# Altium PCB PIXHACK.PcbDoc (part 1 of 3) (continued)
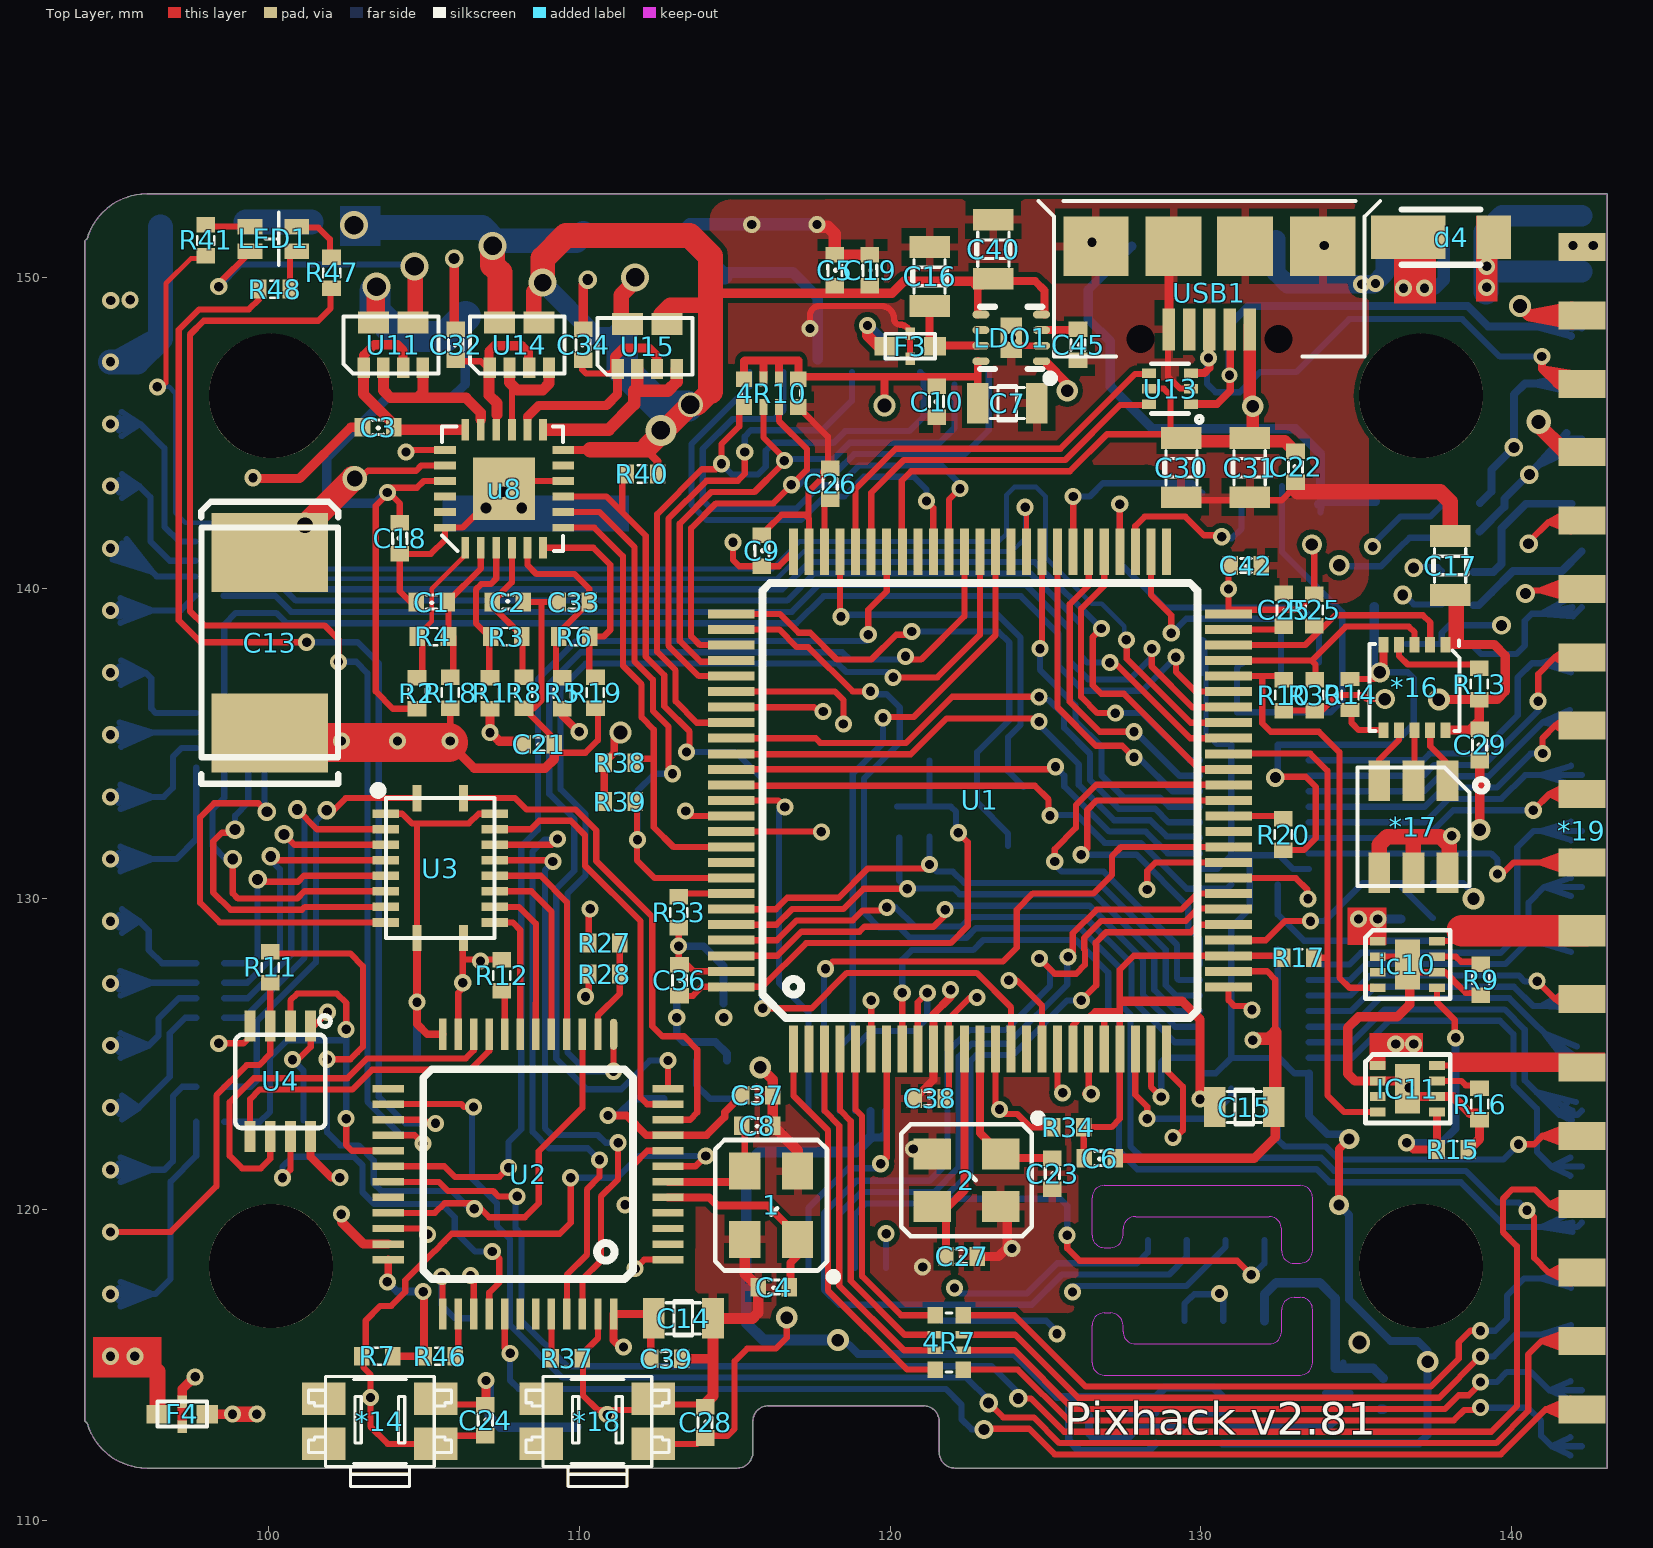
[diagram p0: Top Layer view]
## Components (designator, comment, footprint, x,y, rotation, side; value= is the part's Value field where it differs from the comment)
1 "TSX-3225" TSX-3225 116.261,120.171 r270 top
2 "TSX-3225" TSX-3225 122.428,121.031 r0 top
4R7 "220R" 0402_4R 121.925,115.7 r90 top
4R10 "100k" 0402_4R 116.2,146.3 r180 top
4R12 "TF-CARD" 47352-1001 120.975,142.125 r180 bottom
*8 "MS621FE" MS621FE 113.9,130.45 r90 bottom
*9 "MS5611-01BA" MS5611 130.025,117.75 r0 bottom
*14 "EVQ-P7J01P" EVQ-P7J01P 103.584,113.147 r0 top
*15 "pix_pwm_io" pix_pwm_out 98.56,126.514 r0 top locked
*16 "TCA62724FMG" SON10 136.906,136.906 r270 top
*17 "LRTB" LRTB 136.934,132.32 r180 top
*18 "EVQ-P7J01P" EVQ-P7J01P 110.584,113.147 r0 top
*19 "INPUT_IO" PIX_OP 141.944,130.939 r0 top locked
*20 "220R" 0402_4R 98.125,140.65 r270 bottom
*21 "220R" 0402_4R 98.1,135.075 r90 bottom
*22 "220r" 0402_4R 98.1,127.025 r90 bottom
C1 "220PF" 0402CAP#1 105.25,139.55 r0 top
C2 "220PF" 0402CAP#1 107.7,139.55 r180 top
C3 "100nf" 0402CAP#1 103.525,145.175 r0 top
C4 "8PF" 0402CAP#1 116.261,117.504 r0 top
C5 "10nf" 0402CAP#1 118.225,150.225 r90 top
C6 "100nf" 0402CAP#1 126.75,121.65 r0 top
C7 "4.7UF" 0805CAP 123.775,145.925 r180 top
C8 "8PF" 0402CAP#1 115.725,122.7 r0 top
C9 "100nf" 0402CAP#1 115.875,141.2 r90 top
C10 "100nf" 0402CAP#1 121.5,146 r270 top
C11 "47UF 16V" 7343CAP#1 106.25,145.575 r270 bottom
C12 "47UF 16V" 7343CAP#2 111.3,145.575 r270 bottom
C13 "47UF 16V" 7343CAP#3 100.125,138.625 r270 top
C14 "4.7UF" 0805CAP 113.35,116.475 r180 top
C15 "4.7UF" 0805CAP 131.4,123.275 r180 top
C16 "4.7UF" 0805CAP 121.3,150.025 r270 top
C17 "4.7UF" 0805CAP 138.05,140.725 r270 top
C18 "100nf" 0402CAP#1 104.225,141.6 r270 top
C19 "100nf" 0402CAP#1 119.35,150.225 r90 top
C21 "100nf" 0402CAP#1 108.7,134.975 r0 top
C22 "100nf" 0402CAP#1 133.05,143.9 r270 top
C23 "8PF" 0402CAP#1 125.222,121.158 r90 top
C24 "100nf" 0402CAP#1 106.975,113.225 r90 top
C25 "2.2uf" 0402CAP#2 132.675,139.275 r90 top
C26 "2.2uf" 0402CAP#1 118.075,143.35 r90 top
C27 "8PF" 0402CAP#1 122.301,118.491 r0 top
C28 "100nf" 0402CAP#1 114.05,113.15 r90 top
C29 "100nf" 0402CAP#1 138.975,134.95 r270 top
C30 "4.7UF" 0805CAP 129.35,143.875 r90 top
C31 "4.7UF" 0805CAP 131.55,143.875 r90 top
C32 "100nf" 0402CAP#1 106.025,147.825 r270 top
C33 "220PF" 0402CAP#1 109.825,139.55 r0 top
C34 "100nf" 0402CAP#1 110.125,147.825 r270 top
C35 "100nf" 0402CAP#1 135.875,114.125 r90 bottom
C36 "100nf" 0402CAP#1 113.225,127.375 r90 top
C37 "100nf" 0402CAP#1 115.725,123.675 r0 top
C38 "100nf" 0402CAP#1 121.275,123.575 r180 top
C39 "100nf" 0402CAP#1 112.8,115.2 r0 top
C40 "4.7UF" 0805CAP 123.35,150.9 r270 top
C42 "2.2uf" 0402CAP#1 131.45,140.725 r0 top
C44 "100NF" 0402CAP#1 126.9,113.375 r0 bottom
C45 "100NF" 0402CAP#1 126.05,147.825 r90 top
con1 "55560-0168" 547220164 118.6,120.75 r180 bottom
D1 "4148" SOD-123#1 98.125,151.725 r0 bottom
D2 "4148" SOD-123#2 131.1,151.325 r0 bottom
D3 "4148" SOD-123#3 111.55,151.3 r180 bottom
d4 "4148" SOD-123#1 138,151.4 r180 top
d5 "4148" SOD323 113.975,123.35 r270 bottom
ESD1 "ESD0402" ESD0402 109.9,113.475 r270 bottom
ESD2 "ESD0402" ESD0402 100.575,122.85 r0 bottom
F1 "1A" 0805L 102.45,151.625 r180 bottom
F2 "Fuse 1" 0805L 136.875,151.2 r180 bottom
F3 "KYOCERA-KNH16-DA" KYOCERA-KNH16-DA 120.625,147.9 r0 top
F4 "KYOCERA-KNH16-DA" KYOCERA-KNH16-DA 97.25,113.3 r180 top
F5 "KYOCERA-KNH16-DA" KYOCERA-KNH16-DA 134.525,114.075 r90 bottom
ic10 "BQ243156" QFN8 136.652,127.889 r0 top
IC11 "BQ243156" QFN8 136.652,123.888 r0 top
LDO1 "MIC5530" MIC5530 123.9,148.05 r180 top
LDO2 "MIC5530" MIC5530 129.625,113.225 r0 bottom
LED1 "0603RGB" 0603RGB 100.084,151.183 r90 top locked
R1 "453K" R0402#1 107.15,136.625 r270 top
R2 "453K" R0402#1 104.8,136.625 r270 top
R3 "56K" R0402#1 107.658,138.419 r180 top
R4 "56K" R0402#1 105.299,138.419 r180 top
R5 "453K" R0402#1 109.475,136.625 r270 top
R6 "56K" R0402#1 109.84,138.419 r180 top
R7 "10k" R0402#1 103.5,115.3 r0 top
R8 "105k" R0402#1 108.2,136.625 r90 top
R9 "16.5K" R0402#1 138.991,127.392 r90 top
R10 "10K" R0402#1 132.65,136.55 r90 top
R11 "10k" R0402#1 100.075,127.8 r270 top
R12 "10K" R0402#1 107.525,127.55 r270 top
R13 "4.7K" R0402#1 138.938,136.906 r90 top
R14 "4.7K" R0402#2 134.825,136.575 r270 top
R15 "10K" R0402#1 138.102,121.952 r0 top
R16 "16.5K" R0402#1 138.991,123.403 r270 top
R17 "10K" R0402#1 133.125,128.125 r0 top
R18 "105k" R0402#1 105.825,136.625 r90 top
R19 "105k" R0402#1 110.5,136.625 r90 top
R20 "10k" R0402#1 132.675,132.075 r270 top
R21 "10k" R0402#1 136.975,129.4 r180 bottom
R22 "10K" R0402#1 136.975,130.525 r180 bottom
R23 "10k" R0402#1 138.25,141.6 r0 bottom
R24 "1M" R0402#1 135.6,139.9 r90 bottom
R25 "10k" R0402#1 133.675,139.3 r270 top
R26 "10k" R0402#1 138.25,139.45 r0 bottom
R27 "10k" R0402#1 110.8,128.6 r0 top
R28 "10K" R0402#1 110.8,127.6 r0 top
R29 "1k5" R0402#1 120.2,132.475 r270 bottom
R30 "10k" R0402#1 133.65,136.55 r90 top
R31 "1k5" R0402#1 121.25,132.475 r270 bottom
R32 "10k" R0402#1 138.25,140.525 r0 bottom
R33 "10k" R0402#1 113.225,129.575 r270 top
R34 "10k" R0402#1 125.725,122.675 r0 top
R35 "10k" R0402#1 138.25,142.65 r0 bottom
R36 "1M" R0402#1 135.6,142.3 r270 bottom
R37 "10K" R0402#1 109.6,115.2 r180 top
R38 "1M" R0402#1 111.3,134.4 r0 top
R39 "1M" R0402#1 111.3,133.15 r0 top
R40 "1M" R0402#1 112.025,143.65 r180 top
R41 "1k" R0402#1 98,151.2 r270 top
R42 "10K" R0402#1 108.9,113.525 r90 bottom
R43 "10k" R0402#1 138.25,138.2 r0 bottom
R44 "10K" R0402#1 136.1,138.2 r0 bottom
R45 "220r" R0402#1 114.25,124.775 r0 bottom
R46 "10K" R0402#1 105.5,115.3 r0 top
R47 "1k" R0402#1 102.05,150.15 r270 top
R48 "1k" R0402#1 100.2,149.6 r180 top
R49 "220R" R0402#1 98.175,122.85 r0 bottom
R50 "220R" R0402#1 98.175,123.9 r0 bottom
R51 "10k" R0402#1 130.675,136.025 r180 bottom
U1 "STM32F4" TQFP100_2 123.444,132.842 r90 top locked
U2 "STM32F100" TQFP48 108.204,121.241 r180 top
U3 "TXS0108E" QFN20-RGY 105.45,131.45 r270 top
U4 "74LVC2G240" "TSSOP8 - duplicate" 100.432,124.306 r270 top
U5 "FM25V01-G" SO-8 131.975,140.425 r270 bottom
U6 "TXS0108E" QFN20-RGY 131.65,132.25 r90 bottom
U7 "TXS0108E" QFN20-RGY 131.65,125.675 r90 bottom
u8 "LTC4417IUF#PBF" QFN24 107.608,143.222 r90 top
U11 "NTHD4102PT1G" 1206A?03 103.979,147.817 r0 top
U13 "NUF2042XV6T1G" SOT563-6 129.05,146.375 r180 top
U14 "NTHD4102PT1G" 1206A?03 108.039,147.817 r0 top
U15 "NTHD4102PT1G" 1206A?03 112.15,147.775 r0 top
USB1 "moles usb" "moles usb" 130.2,149.725 r0 top

## Footprints (in the part's own frame and the unit in brackets; to place one, negate y for a bottom-side part, rotate by r counter-clockwise, add the part's x,y. Pads: shape width x height; smd on the part's side, far side on the other; paste and mask are expansions set on the pad)
0402_4R [mm]
  rect 0.525x0.5 smd: 1(-0.85,-0.425) 4(0.9,-0.425) 5(0.9,0.475) 8(-0.85,0.475)
  rect 0.25x0.5 smd: 2(-0.225,-0.425) 3(0.275,-0.425) 6(0.275,0.475) 7(-0.225,0.475)
  silkscreen extent -0.93,-0.08 0.97,0.12, body extent -0.97,-0.5 1.03,0.5, height 0.45
0402CAP#1 [mm]
  rect 0.5x0.6 smd: 1(0.5,0) 2(-0.5,0)
  silkscreen extent -0.18,-0.23 0.18,0.23, body extent -0.5,-0.25 0.5,0.25, height 0.5
0402CAP#2 [mm]
  rect 0.5x0.6 smd: 1(0.55,0) 2(-0.5,0)
  silkscreen extent -0.18,-0.23 0.18,0.23, body extent -0.5,-0.25 0.5,0.25, height 0.5
0603RGB [mm]
  rect 0.5x0.8 smd: 1(0.45,-0.825) 2(-0.35,-0.825) 3(-0.35,0.675) 4(0.45,0.675)
  silkscreen extent -0.81,-0.25 0.91,0.2, body extent -0.77,-0.87 0.85,0.75, height 0.8
0805CAP [mm]
  rect 0.7x1.3 smd: 1(-0.95,-0.025) 2(0.95,-0.025)
  silkscreen extent -0.55,-0.6 0.55,0.55, body extent -1.02,-0.62 0.98,0.58, height 1.2
0805L [mm]
  rect 0.7x1.3 smd: 1(-0.95,0.025) 2(0.95,0.025)
  silkscreen extent -0.6,-0.47 0.6,0.53, body extent -0.97,-0.6 1.03,0.65, height 0.45
1206A?03 [mm]
  rect 0.4x0.65 smd: 1(-0.918,-0.73) 2(-0.283,-0.73) 3(0.352,-0.73) 4(0.987,-0.73)
  rect 1x0.7 smd: 5(0.67,0.725) 8(-0.6,0.725)
  silkscreen extent -1.56,-0.91 1.49,0.92, body extent -1.53,-1.08 1.58,1.13, height 1.1
7343CAP#1 [mm]
  rrect50% 2.55x3.75 smd: A(-2.518,-0.084)
  rect 2.35x3.75 smd: C(3.289,-0.084)
  silkscreen extent -4.15,-2.28 4.92,2.12, body extent -3.14,-2.4 4.16,1.9, height 2.25
7343CAP#2 [mm]
  rrect50% 2.55x3.75 smd: A(-2.518,-0.084)
  rect 2.3x3.75 smd: C(3.289,-0.084)
  silkscreen extent -4.15,-2.28 4.92,2.12, body extent -3.14,-2.4 4.16,1.9, height 2.25
7343CAP#3 [mm]
  rect 2.55x3.75 smd: A(-2.518,-0.084) C(3.289,-0.084)
  silkscreen extent -4.15,-2.28 4.92,2.12, body extent -3.14,-2.4 4.16,1.9, height 2.25
47352-1001 [mm]
  rect 0.8x1.5 smd: 1(-2.233,4.882) 2(-1.133,4.482) 3(-0.033,4.882) 4(1.067,5.082) 5(2.167,4.882) 6(3.267,5.082) 7(4.367,4.882) 8(5.467,4.882)
  rect 1.4x1.9 smd: NC(-7.143,8.732) NC3(6.257,7.732)
  rect 1.8x1.2 smd: NC1(-1.043,-5.418) NC2(4.657,-5.418)
  silkscreen extent -7.59,-5.82 6.71,14.78, body extent -7.4,-6.11 6.7,9.09, height 1.9
547220164 [mm]
  rect 0.3x1.25 smd: 1(-1.775,2.425) 2(-1.275,2.425) 3(-0.775,2.425) 4(-0.275,2.425) 5(0.225,2.425) 6(0.725,2.425) 7(1.225,2.425) 8(1.725,2.425) 9(1.725,-2.625) 10(1.225,-2.625) 11(0.725,-2.625) 12(0.225,-2.625) 13(-0.275,-2.625) 14(-0.775,-2.625) 15(-1.275,-2.625) 16(-1.775,-2.625)
  silkscreen extent -3.3,-2.58 3.3,2.42, body extent -3.3,-3.07 3.3,2.93, height 1.17
ESD0402 [mm]
  rect 0.5x0.6 smd: 1(-0.55,-0.025) 2(0.45,-0.025)
  silkscreen extent -0.05,-0.33 -0.05,0.27, body extent -0.55,-0.28 0.45,0.22, height 0.3
EVQ-P7J01P [mm]
  rect 1.4x1.05 smd: A1(-1.799,0.763) A2(1.801,0.763) A4(1.801,-0.687) B3(-1.799,-0.687)
  silkscreen extent -2.3,-2.06 2.3,1.49, body extent -2.35,-2.05 2.35,1.5, height 1.35
KYOCERA-KNH16-DA [mm]
  rect 0.3x0.4 smd: 0(0.022,-0.517) 0(0.022,0.283)
  rect 0.7x0.6 smd: 1(0.822,-0.117) 2(-0.778,-0.117)
  silkscreen extent -0.78,-0.52 0.82,0.28
LRTB [mm]
  rect 0.7x1.3 smd: A1(-1.008,1.477) A2(0.092,1.477) A3(1.192,1.477) C1(-1.008,-1.473) C2(0.092,-1.473) C3(1.192,-1.473)
  silkscreen extent -2.29,-1.9 1.89,1.9, body extent -1.67,-1.8 1.83,1.8, height 2.01
MIC5530 [mm] "QFN, 8-Leads, Body 2.0x2.0mm (max), Pitch 0.00mm, Pitch1 0.50mm, IPC Medium Density"
  oval 0.55x0.25 smd: 1(-0.975,0.75) 2(-0.975,0.25) 3(-0.975,-0.25) 4(-0.975,-0.75) 5(0.975,-0.75) 6(0.975,-0.25) 7(0.975,0.25) 8(0.975,0.75)
  rect 0.7x1.3 smd: 2(0,0)
  silkscreen extent -1.38,-1 1,1.42, body extent -1,-1 1,1, height 0.85
"moles usb" [mm]
  rect 0.4x1.35 smd: 1(1.376,-1.4) 2(0.726,-1.4) 3(0.075,-1.4) 4(-0.575,-1.4) 5(-1.225,-1.4)
  rect 2.1x1.9 smd: 5(-3.575,1.273) 5(3.726,1.273)
  round 0 hole 0.9: 5(-2.142,-1.716) 5(2.308,-1.716)
  rect 1.8x1.9 smd: 5(-1.073,1.273) 5(1.227,1.273)
  Top Layer lines w0.254: 0.02,-1.88 0.075,-1.825
  silkscreen extent -5.42,-2.27 5.58,2.73, body extent -3.92,-1.87 4.06,3.56, height 2.67
MS621FE [mm]
  rect 1.7x0.75 smd: 1(-3.817,0.739) 2(-3.817,-0.761)
  silkscreen extent -2.07,-3.41 4.73,3.39, body extent -4.65,-3.4 4.65,3.4, height 2.6
MS5611 [mm]
  rect 0.6x0.8 smd: 1(1.925,1.325) 2(0.675,1.325) 3(-0.575,1.325) 4(-1.825,1.325) 5(-1.825,-1.275) 6(-0.575,-1.275) 7(0.675,-1.275) 8(1.925,-1.275)
  silkscreen extent -2.7,-1.73 2.8,1.77, body extent -2.47,-1.53 2.53,1.47, height 1
PIX_OP [mm]
  rect 1.5x0.9 smd: 1(0.323,-17.367) 2(0.323,-15.167) 3(0.323,-12.967) 4(0.323,-10.767) 5(0.323,-8.567) 6(0.323,-6.367) 7(0.323,-4.167) 9(0.323,0.233) 10(0.323,2.433) 11(0.323,4.633) 12(0.323,6.833) 13(0.323,9.033) 14(0.323,11.233) 15(0.323,13.433) 16(0.323,15.633) 17(0.323,17.833) 18(0.323,20.033)
  rect 1.5x1 smd: 8(0.323,-1.967)
  rect 1.4x0.8 smd far side: 19(0.315,-18.556) 20(0.315,-16.756) 21(0.315,-14.956) 22(0.315,-13.156) 23(0.315,-11.356) 24(0.315,-9.556) 25(0.315,-7.756) 26(0.315,-5.956) 27(0.315,-4.156) 28(0.315,-2.356) 29(0.315,-0.556) 30(0.315,1.244) 31(0.315,3.044) 32(0.315,4.844) 33(0.315,6.644) 34(0.315,8.444) 35(0.315,10.244) 36(0.315,12.044) 37(0.315,13.844) 38(0.315,15.644) 39(0.315,17.444) 40(0.315,19.244) 41(0.315,21.044)
pix_pwm_out [mm]
  round 4 hole 4: 0(1.524,-8.331)
  rect 1.5x1 smd far side: 1(-3.645,-11.235) 2(-3.645,-9.235) 3(-3.645,-7.235) 4(-3.645,-5.235) 5(-3.645,-3.235) 6(-3.645,-1.235) 7(-3.645,0.765) 8(-3.645,2.765) 9(-3.645,4.765) 10(-3.645,6.765) 11(-3.645,8.765) 12(-3.645,10.765) 13(-3.645,12.765) 14(-3.645,14.765) 15(-3.645,16.765) 16(-3.645,18.765) 17(-3.645,20.765) 18(-3.645,22.765)
QFN8 [mm]
  rect 0.5x0.28 smd: 1(-0.95,0.75) 2(-0.95,0.25) 3(-0.95,-0.25) 4(-0.95,-0.75) 5(0.95,-0.75) 6(0.95,-0.25) 7(0.95,0.25) 8(0.95,0.75)
  rect 0.8x1.6 smd: 2(0,0)
  silkscreen extent -1.35,-1.1 1.38,1.1, body extent -1.03,-1 1.08,1, height 0.94
QFN20-RGY [mm]
  rect 0.85x0.28 smd: 1(-1.79,-0.672) 10(2.71,-0.672) 11(2.71,0.828) 20(-1.79,0.828)
  rect 0.28x0.85 smd: 2(-1.29,-1.672) 3(-0.79,-1.672) 4(-0.29,-1.672) 5(0.21,-1.672) 6(0.71,-1.672) 7(1.21,-1.672) 8(1.71,-1.672) 9(2.21,-1.672) 12(2.21,1.828) 13(1.71,1.828) 14(1.21,1.828) 15(0.71,1.828) 16(0.21,1.828) 17(-0.29,1.828) 18(-0.79,1.828) 19(-1.29,1.828)
  silkscreen extent -2.11,-1.99 2.71,1.83, body extent -1.77,-1.73 2.67,1.83, height 1
QFN24 [mm]
  rect 0.7x0.25 smd: 1(-1.928,1.276) 2(-1.928,0.775) 3(-1.928,0.276) 4(-1.928,-0.225) 5(-1.928,-0.724) 6(-1.928,-1.225) 13(1.872,-1.225) 14(1.872,-0.724) 15(1.872,-0.225) 16(1.872,0.276) 17(1.872,0.775) 18(1.872,1.276)
  rect 0.25x0.7 smd: 7(-1.278,-1.875) 8(-0.778,-1.875) 9(-0.278,-1.875) 10(0.222,-1.875) 11(0.722,-1.875) 12(1.222,-1.875) 19(1.222,1.926) 20(0.722,1.926) 21(0.222,1.926) 22(-0.278,1.926) 23(-0.778,1.926) 24(-1.278,1.926)
  rect 2x2 smd: 10(-0.028,0.026)
  silkscreen extent -2.03,-1.88 1.97,2.03, body extent -2.02,-1.92 1.97,2.07, height 1
R0402#1 [mm]
  rect 0.5x0.6 smd: 1(-0.494,-0.021) 2(0.506,-0.021)
  silkscreen extent -0.13,-0.3 0.15,0.25, body extent -0.5,-0.27 0.5,0.23, height 0.3
R0402#2 [mm]
  rect 0.45x0.6 smd: 1(-0.494,-0.021) 2(0.506,-0.021)
  silkscreen extent -0.13,-0.3 0.15,0.25, body extent -0.5,-0.27 0.5,0.23, height 0.3
SO-8 [mil]
  round 20 on Bottom Overlay: 0(-28.5,62.8)
  rect 75x25 smd: 1(-112.5,75)
  rrect50% 75x25 smd: 2(-112.5,25) 3(-112.5,-25) 4(-112.5,-75) 5(112.5,-75) 6(112.5,-25) 7(112.5,25) 8(112.5,75)
  silkscreen extent -51,-99 50,101, body extent -118,-96 118,96
SOD323 [mm]
  rect 0.6x0.8 smd: 1(-0.217,1.264) 2(-0.217,-1.236)
  silkscreen extent -0.87,-1.56 0.43,1.26, body extent -0.87,-1.28 0.48,1.32, height 1.1
SOD-123#1 [mm]
  rect 1.1x1.4 smd: 1(-1.427,0.107)
  rect 2.4x1.4 smd: 2(1.323,0.107)
  silkscreen extent -1,-0.78 1.54,1, body extent -1.77,-0.65 1.93,0.95, height 1.27
SOD-123#2 [mm]
  rect 1.1x1.4 smd: 1(-1.427,0.107)
  rect 2.2x1.4 smd: 2(1.323,0.107)
  silkscreen extent -1,-0.78 1.54,1, body extent -1.77,-0.65 1.93,0.95, height 1.27
SOD-123#3 [mm]
  rect 1.1x1.4 smd: 1(-1.427,0.107)
  rect 2x1.4 smd: 2(1.423,0.107)
  silkscreen extent -1,-0.78 1.54,1, body extent -1.77,-0.65 1.93,0.95, height 1.27
SON10 [mm]
  rect 0.5x0.32 smd: 1(-1.275,0.975) 2(-1.275,0.475) 3(-1.275,-0.025) 4(-1.275,-0.525) 5(-1.275,-1.025) 6(1.475,-1.025) 7(1.475,-0.525) 8(1.475,-0.025) 9(1.475,0.475) 10(1.475,0.975)
  silkscreen extent -1.4,-1.48 1.5,1.43, body extent -1.4,-1.53 1.6,1.48, height 0.92
SOT563-6 [mm]
  rect 0.45x0.3 smd: 1(-0.635,0.459) 2(-0.635,-0.041) 3(-0.635,-0.541) 4(0.715,-0.541) 5(0.715,-0.041) 6(0.715,0.459)
  silkscreen extent -1,-0.84 0.64,1.05, body extent -0.76,-0.85 0.86,0.75, height 0.58
TQFP48 [mm]
  rect 1x0.24 smd: 1(-4.65,2.85) 2(-4.65,2.35) 3(-4.65,1.85) 4(-4.65,1.35) 5(-4.65,0.85) 6(-4.65,0.35) 7(-4.65,-0.15) 8(-4.65,-0.65) 9(-4.65,-1.15) 10(-4.65,-1.65) 11(-4.65,-2.15) 12(-4.65,-2.65) 25(4.35,-2.65) 26(4.35,-2.15) 27(4.35,-1.65) 28(4.35,-1.15) 29(4.35,-0.65) 30(4.35,-0.15) 31(4.35,0.35) 32(4.35,0.85) 33(4.35,1.35) 34(4.35,1.85) 35(4.35,2.35) 36(4.35,2.85)
  oval 0.24x1 smd: 13(-2.9,-4.4)
  rect 0.24x1 smd: 14(-2.4,-4.4) 15(-1.9,-4.4) 16(-1.4,-4.4) 17(-0.9,-4.4) 18(-0.4,-4.4) 19(0.1,-4.4) 20(0.6,-4.4) 21(1.1,-4.4) 22(1.6,-4.4) 23(2.1,-4.4) 24(2.6,-4.4) 37(2.6,4.6) 38(2.1,4.6) 39(1.6,4.6) 40(1.1,4.6) 41(0.6,4.6) 42(0.1,4.6) 43(-0.4,4.6) 44(-0.9,4.6) 45(-1.4,4.6) 46(-1.9,4.6) 47(-2.4,4.6) 48(-2.9,4.6)
  silkscreen extent -3.52,-3.27 3.23,3.48
TQFP100_2 [mm]
  rect 1.5x0.29 smd: 1(-7.675,6.55) 2(-7.675,6.05) 3(-7.675,5.55) 4(-7.675,5.05) 5(-7.675,4.55) 6(-7.675,4.05) 7(-7.675,3.55) 8(-7.675,3.05) 9(-7.675,2.55) 10(-7.675,2.05) 11(-7.675,1.55) 12(-7.675,1.05) 13(-7.675,0.55) 14(-7.675,0.05) 15(-7.675,-0.45) 16(-7.675,-0.95) 17(-7.675,-1.45) 18(-7.675,-1.95) 19(-7.675,-2.45) 20(-7.675,-2.95) 21(-7.675,-3.45) 22(-7.675,-3.95) 23(-7.675,-4.45) 24(-7.675,-4.95) 25(-7.675,-5.45) 51(8.325,-5.45) 52(8.325,-4.95) 53(8.325,-4.45) 54(8.325,-3.95) 55(8.325,-3.45) 56(8.325,-2.95) 57(8.325,-2.45) 58(8.325,-1.95) 59(8.325,-1.45) 60(8.325,-0.95) 61(8.325,-0.45) 62(8.325,0.05) 63(8.325,0.55) 64(8.325,1.05) 65(8.325,1.55) 66(8.325,2.05) 67(8.325,2.55) 68(8.325,3.05) 69(8.325,3.55) 70(8.325,4.05) 71(8.325,4.55) 72(8.325,5.05) 73(8.325,5.55) 74(8.325,6.05) 75(8.325,6.55)
  rect 0.29x1.5 smd: 26(-5.675,-7.45) 27(-5.175,-7.45) 28(-4.675,-7.45) 29(-4.175,-7.45) 30(-3.675,-7.45) 31(-3.175,-7.45) 32(-2.675,-7.45) 33(-2.175,-7.45) 34(-1.675,-7.45) 35(-1.175,-7.45) 36(-0.675,-7.45) 37(-0.175,-7.45) 38(0.325,-7.45) 39(0.825,-7.45) 40(1.325,-7.45) 41(1.825,-7.45) 42(2.325,-7.45) 43(2.825,-7.45) 44(3.325,-7.45) 45(3.825,-7.45) 46(4.325,-7.45) 47(4.825,-7.45) 48(5.325,-7.45) 49(5.825,-7.45) 50(6.325,-7.45) 76(6.325,8.55) 77(5.825,8.55) 78(5.325,8.55) 79(4.825,8.55) 80(4.325,8.55) 81(3.825,8.55) 82(3.325,8.55) 83(2.825,8.55) 84(2.325,8.55) 85(1.825,8.55) 86(1.325,8.55) 87(0.825,8.55) 88(0.325,8.55) 89(-0.175,8.55) 90(-0.675,8.55) 91(-1.175,8.55) 92(-1.675,8.55) 93(-2.175,8.55) 94(-2.675,8.55) 95(-3.175,8.55) 96(-3.675,8.55) 97(-4.175,8.55) 98(-4.675,8.55) 99(-5.175,8.55) 100(-5.675,8.55)
  silkscreen extent -6.67,-6.45 7.33,7.55, body extent -7.65,-7.45 8.35,8.55, height 1.2
"TSSOP8 - duplicate" [mm]
  rect 1x0.35 smd: 1(-1.595,0.925) 2(-1.595,0.275) 3(-1.595,-0.375) 4(-1.595,-1.025) 5(1.955,-1.025) 6(1.955,-0.375) 7(1.955,0.275) 8(1.955,0.925)
  silkscreen extent -1.94,-1.5 1.68,1.56, body extent -1.93,-1.6 2.17,1.5, height 1.1
TSX-3225 [mm]
  rect 1.2x1 smd: 1(1.133,0.764) 2(-1.067,0.764) 3(-1.067,-0.936) 4(1.133,-0.936)
  silkscreen extent -2.07,-1.89 2.43,2.01, body extent -1.6,-1.33 1.6,1.17, height 0.6

## Part data
4R7 4R10 *20 *21 *22: library part 0402_4R
4R12: library part 47352-1001
C1 C2 C3 C4 C5 C6 C7 C8 C9 C10 C14 C15 C16 C17 C18 C19 C21 C22 C23 C24 C25 C26 C27 C28 C29 C30 C31 C32 C33 C34 C35 C36 C37 C38 C39 C40 C42 C44 C45: library part Cap
C11 C12 C13: library part "Cap Pol1", "Polarized Capacitor (Radial)"
D1 D2 D3 d4 d5: library part "D Schottky", "Schottky Diode"
F1: library part "Fuse 1", "Fuse"
F2: "Fuse"
R1 R2 R3 R4 R5 R6 R7 R8 R9 R10 R11 R12 R13 R14 R15 R16 R17 R18 R19 R20 R21 R22 R23 R24 R25 R26 R27 R28 R29 R30 R31 R32 R33 R34 R35 R36 R37 R38 R39 R40 R41 R42 R43 R44 R45 R46 R47 R48 R49 R50 R51: library part Res2, "Resistor"
U5: library part Component_1

## Free pads (board coordinates)
  round 1.5 smd far side: 1(104.3,119.1) 1(104.825,124.85) 1(106.6,115.9) 1(111.3,135.8) 1(111.625,119.725) 1(121.225,134.5) 1(124,131.9) 1(124,134.1) 1(135.125,122.8)
  round 4 hole 4: 2(100.084,118.183) 2(100.084,146.183) 2(137.084,118.183) 2(137.084,146.183)

## Via types
v1: diameter 0.55, hole 0.3, Top Layer to Bottom Layer, 198 vias
v2: diameter 0.6, hole 0.35, Top Layer to Bottom Layer, 24 vias
v3: diameter 0.7, hole 0.4, Top Layer to Bottom Layer, 9 vias
v4: diameter 0.9, hole 0.6, Top Layer to Bottom Layer, 5 vias
v5: diameter 0.7, hole 0.45, Top Layer to Bottom Layer, 4 vias
v6: diameter 0.65, hole 0.4, Top Layer to Bottom Layer, 4 vias
v7: diameter 0.5, hole 0.3, Top Layer to Bottom Layer, 2 vias
v8: diameter 0.8, hole 0.5, Top Layer to Bottom Layer, 2 vias
v9: diameter 0.65, hole 0.35, Top Layer to Bottom Layer, 2 vias
v10: diameter 0.9, hole 0.55, Top Layer to Bottom Layer, 1 vias
v11: diameter 1, hole 0.6, Top Layer to Bottom Layer, 1 vias
v12: diameter 0.8, hole 0.6, Top Layer to Bottom Layer, 1 vias
v13: diameter 0.8, hole 0.45, Top Layer to Bottom Layer, 1 vias

## Nets (pads, with @x,y where several pads share a name; then routed paths per layer and width w, separated by ;. In a path a pad name is that pad's centre, name@x,y a point inside that pad or via, vN(x,y) a via of type N, cw(c..) or ccw(c..) an arc to the next point about the centre after c; other vN are vias at no path point)
3.3V-2: C16.2 F3.1 LDO1.7 | length 2.7
  Top Layer w0.254: C16.2@121.275,149.075 121.275,147.975 121.45,147.8 LDO1.7@122.825,147.8
3.3V-3: C14.2 C37.2 C39.2 d5.1 LDO2.8 pad.1@104.825,124.85 pad.1@135.125,122.8 R7.2 R46.1 R51.2 U2.9 U2.24 U2.36 U2.48 U3.2 U3.10 U3.19 U4.8 U5.8 U6.2 U6.10 U6.19 U7.2 U7.10 U7.19 | length 103.1
  Top Layer w0.2: U3.2@103.778,132.74 104.3,132.74 104.614,132.425 106.45,132.425 106.765,132.74 U3.19@107.278,132.74 ; U3.10@104.778,128.74 104.778,132.403
  Top Layer w0.254: U4.8@101.357,122.351 101.357,121.693 102.025,121.025 v1@102.3,121.025 ; v1@103.854,117.646 U2.36@103.854,118.391 ; R7.2@104.006,115.279 R46.1@105.006,115.279 v1@105.006,117.331 ; U3.10@104.778,128.74 v1(104.778,126.675) 104.778,125.972 105.109,125.641 U2.24@105.604,125.641 ; v1(110.925,123.025) 111.525,123.025 112.159,122.391 U2.9@112.854,122.391 114.091,122.391 114.683,122.983 114.683,123.133 C37.2@115.225,123.675 ; v1(111.425,115.575) 111.325,115.575 111.104,115.796 U2.48@111.104,116.641 C14.2@112.259,116.641 ; C39.2@112.3,115.2 C14.2@112.3,116.4 ; v9(134.45,120.15) 134.45,121.95 v9(134.775,122.275)
  power w0.254: v3@137.125,114.925 v3(137.3,115.1)
  power w0.3: v1(111.425,115.575) 116.925,115.575 118.125,116.775 125.5,116.775 125.981,116.294 125.981,114.519 126.4,114.1 133.875,114.1 134.7,114.925 v3@137.125,114.925
  Bottom Layer w0.15: U5.8@130.07,137.567 cw(c130.07,137.469) 130.169,137.469 R51.2@130.169,136.004 130.169,135.306 130.515,134.96 U6.10@130.978,134.96
  Bottom Layer w0.2: U7.2@129.978,124.385 130.485,124.385 130.978,124.878 ; U6.2@129.978,130.96 130.535,130.96 130.978,131.403 ; U6.10@130.978,134.96 130.978,131.403 ; U7.19@133.478,124.385 133.015,124.385 132.522,124.878 130.978,124.878 ; U6.19@133.478,130.96 132.965,130.96 132.522,131.403 131.575,131.403 ; 130.978,124.878 U7.10@130.978,128.385 130.978,129.078 131.575,129.675 131.575,131.403 ; 130.978,131.403 131.575,131.403
  Bottom Layer w0.254: v1(103.825,117.675) 104.14,117.36 v1(104.977,117.36) ; pad.1@104.778,124.897 v1(104.778,126.675) ; v1(110.925,123.025) 111.25,123.025 111.792,123.567 d5.1@112.711,123.567 ; LDO2.8@130.7,112.475 137.025,112.475 137.3,112.75 v3@137.3,115.05 ; U7.19@133.478,124.385 133.478,123.022 134.078,122.422 134.628,122.422 v9(134.775,122.275) ; v9(134.45,120.15) 134.775,119.825 134.775,117.1 136.1,115.775 136.975,115.775 137.3,115.45 v3(137.3,115.1)
  Bottom Layer w0.35: U5.8@130.045,138.245 130.045,137.342 U5.8@130.07,137.567
  other v1: 102.296,121.029
3.3V-4: F5.2 LDO2.7 | length 3.8
  Bottom Layer w0.254: LDO2.7@130.7,112.975 134.086,112.975 F5.2@134.408,113.297
3V3_SENSORS_EN: U1.2
5V_HIPOWER_OC: IC11.4 R17.2 U1.41 | length 15.6
  Top Layer w0.2: U1.41@131.525,134.675 133.525,134.675 134.075,134.125 134.075,123.675 134.612,123.138 IC11.4@135.702,123.138 ; R17.2@133.556,128.104 134.046,128.104
5V_PERIRH_OC: ic10.4 R10.2 U1.46 | length 14.7
  Top Layer w0.2: U1.46@130.894,137.167 131.975,137.167 ; R10.2@132.6,137.167 131.975,137.167 ; ic10.4@135.702,127.139 134.786,127.139 134.46,127.465 134.46,134.715 133.8,135.375 132.25,135.375 131.975,135.65 131.975,137.167
ACCEL_DRDY: U1.90 | length 3
  Top Layer w0.2: U1.90@114.894,132.167 117.777,132.167 v1(117.792,132.153)
  Bottom Layer w0.2: v1@117.7,132.15 v1@117.775,132.225
ACCEL_MAG: con1.4 U1.9 | length 7.5
  Top Layer w0.2: U1.9@120.894,125.167 120.894,126.669 v1(121.2,126.975)
  Bottom Layer w0.2: con1.4@118.875,123.175 118.875,125.225 119.4,125.75 120.8,125.75 121.2,126.15 v1(121.2,126.975)
ADC1: R26.1 U1.18 | length 33.9
  Top Layer w0.2: U1.18@125.394,125.167 125.394,123.918 v1(125.556,123.756) v1@125.55,123.75
  power w0.254: v1(125.556,123.756) 125.531,123.756 125.525,123.75 125.525,123.45 125.85,123.125 127.025,123.125 128.475,121.675 131.75,121.675 132.9,122.825 132.9,127.225 134.325,128.65 134.325,130.075 133.725,130.675 132.766,130.675 131.2,132.241 131.2,135.3 135.6,139.7 v2@136.5,139.7
  Bottom Layer w0.2: v2@136.5,139.825 136.854,139.471 R26.1@137.756,139.471
  other v2: 136.5,139.775
ADC1_IN: *19.35 R26.2 | length 4.2
  Bottom Layer w0.254: R26.2@138.781,139.446 138.946,139.446 139.35,139.85 140.05,140.55 141.626,140.55 *19.35@142.259,141.183
ADC2: R32.1 U1.33 | length 19.1
  Top Layer w0.2: U1.33@130.894,130.667 133.058,130.667 133.425,130.3 v1@133.425,130
  power w0.254: v1(133.45,130) 132.828,130 130.766,132.062 130.766,135.48 135.961,140.675 v2@136.825,140.675
  Bottom Layer w0.2: v2@136.85,140.675 137.627,140.675 R32.1@137.756,140.546
  other v2: 136.85,140.65
ADC2_IN: *19.36 R32.2 | length 4.7
  Bottom Layer w0.254: R32.2@138.781,140.521 139.421,140.521 139.675,140.775 139.675,141.925 140.125,142.375 140.462,142.712 *19.36@141.925,142.712
ADC6.6: *19.34 R43.2 | length 7.9
  Bottom Layer w0.2: R43.2@138.756,138.221 138.756,138.144 139.025,137.875 140.15,137.875 140.425,138.15 140.425,138.95 140.65,139.175 142.051,139.175 *19.34@142.259,139.383 ; *19.34@141.857,139.665 140.945,139.175 ; *19.34@141.959,139.383 140.945,139.175 ; *19.34@141.976,139.083 140.945,139.175
ALARM: *19.3 U1.77 | length 49.4
  Top Layer w0.2: U1.77@114.894,138.667 116.433,138.667 117,138.1 117.375,138.1 118.8,136.675 v1(119.375,136.675) ; v1(140.5,119.975) 140.725,119.75 140.725,118.45 141.203,117.972 ; *19.3@141.887,117.631 141.203,117.972 ; *19.3@141.887,118.313 141.203,117.972 ; *19.3@141.952,117.823 141.203,117.972 ; *19.3@141.952,118.121 141.203,117.972 ; *19.3@141.967,117.972 141.203,117.972 ; *19.3@142.267,117.972 141.203,117.972
  Bottom Layer w0.2: v1(119.375,136.675) 119.465,136.585 119.89,136.585 120.315,136.16 120.315,135.025 120.21,134.92 120.21,134.919 119.165,133.874 119.165,129.56 119.645,129.08 120.304,129.08 120.639,128.745 122.461,128.745 122.766,129.05 126.119,129.05 127.39,127.779 127.39,126.626 127.735,126.281 127.735,122.04 128.11,121.665 133.876,121.665 134.296,121.245 138.53,121.245 139.55,120.225 140.25,120.225 v1(140.5,119.975)
ARBER_LED: R47.2 U2.28 | length 38.8
  Top Layer w0.2: R47.2@102,149.7 102,149 101.6,148.6 97.916,148.6 97.475,148.159 97.475,139.25 97.928,138.797 101.803,138.797 102.25,138.35 v1(102.25,137.625) ; U2.28@103.854,122.391 104.709,122.391 v1(104.975,122.125)
  Bottom Layer w0.2: v1(102.25,137.625) 102.825,137.625 103.185,137.265 103.185,123.474 104.249,122.41 104.69,122.41 v1(104.975,122.125)
AUX_CH1: *15.12 *21.4 | length 8.3
  Bottom Layer w0.2: v1(94.915,137.279) 96.046,137.279 ; *15.12@95.165,137.279 96.046,137.279 ; *15.12@95.188,137.08 96.046,137.279 ; *15.12@95.188,137.478 96.046,137.279 ; *15.12@95.256,136.889 96.046,137.279 ; *15.12@95.256,137.669 96.046,137.279 ; *21.4@97.675,135.975 96.375,135.975 96.225,136.125 96.225,137.1 96.046,137.279
AUX_CH2: *15.13 *20.5 | length 8.4
  Bottom Layer w0.2: v1(94.915,139.279) 97.179,139.279 *20.5@97.65,139.75 ; *15.13@95.165,139.279 96.265,139.279 ; *15.13@95.183,139.08 96.265,139.279 ; *15.13@95.183,139.478 96.265,139.279 ; *15.13@95.238,138.886 96.265,139.279 ; *15.13@95.238,139.672 96.265,139.279
AUX_CH3: *15.14 *20.6 | length 9.8
  Bottom Layer w0.2: v1(94.915,141.279) 95.496,141.279 96.4,140.375 *20.6@97.65,140.375 ; *15.14@94.987,140.921 96.264,140.511 ; *15.14@95.063,141.107 96.264,140.511 ; *15.14@95.165,141.279 96.264,140.511 ; *15.14@95.291,141.434 96.264,140.511 ; *15.14@95.44,141.569 96.264,140.511
AUX_CH4: *15.15 *20.7 | length 8
  Bottom Layer w0.2: v1(94.915,143.279) 95.846,143.279 ; *15.15@95.165,143.279 95.846,143.279 ; *15.15@95.194,143.081 95.846,143.279 ; *15.15@95.194,143.477 95.846,143.279 ; *15.15@95.282,142.897 95.846,143.279 ; *15.15@95.282,143.661 95.846,143.279 ; *20.7@97.65,140.875 96.825,140.875 96.2,141.5 96.2,142.925 95.846,143.279
AUX_CH5: *15.16 *20.8 | length 9.3
  Bottom Layer w0.2: v1(94.915,145.279) 95.871,145.279 ; *15.16@95.165,145.279 95.871,145.279 ; *15.16@95.193,145.081 95.871,145.279 ; *15.16@95.193,145.477 95.871,145.279 ; *15.16@95.278,144.895 95.871,145.279 ; *15.16@95.278,145.663 95.871,145.279 ; *20.8@97.65,141.5 97.125,141.5 96.65,141.975 96.65,144.5 95.871,145.279
BARO_CS: *9.5 con1.7 U1.88 | length 42.9
  Top Layer w0.2: U1.88@114.894,133.167 116.402,133.167 v1(116.617,132.953)
  power w0.2: v1(116.617,132.953) 116.617,129.233 117.4,128.45 123.652,128.45 124.605,127.497 124.605,121.555 122.077,119.027 v1(122.077,117.475)
  Bottom Layer w0.2: v1@116.6,133.025 116.425,132.85 116.425,127.3 117.375,126.35 con1.7@117.375,123.175 ; v1(122.077,117.475) 122.252,117.3 124.409,117.3 125.384,118.275 127.95,118.275 128.3,118.625 *9.5@128.3,119.025
BARO_VCC: *9.1 C35.1 F5.1 | length 7.7
  Bottom Layer w0.2: F5.1@134.408,114.897 F5.1@134.586,115.075
  Bottom Layer w0.3: *9.1@132.05,116.425 132.05,117.275 132.425,117.65 133.825,117.65 134.325,117.15 134.325,114.897 135.553,114.897 C35.1@135.875,114.575
BATT_CURRENT: *19.37 R23.2 | length 8.8
  Bottom Layer w0.254: R23.2@138.971,141.814 139.769,142.612 139.769,142.869 141.683,144.783 *19.37@142.259,144.783 ; *19.37@141.774,144.984 140.859,143.959 ; *19.37@141.959,144.783 140.859,143.959 ; *19.37@142.1,144.549 140.859,143.959
  other v2: 140.575,143.65
BATT_CURRENT_SENT: R23.1 R24.2 U1.26 | length 22.4
  Top Layer w0.2: U1.26@130.894,127.167 130.894,126.731 131.075,126.55 v1@131.65,126.55
  power w0.254: v1@131.65,126.55 132.025,126.925 132.025,129.575 129.898,131.702 129.898,135.839 133.325,139.266 133.325,140.15 133.907,140.732 v6(134.457,140.732)
  Bottom Layer w0.2: v6@134.425,140.75 134.443,140.732 v6(134.457,140.732) ; v6@134.45,140.725 134.475,140.7 135.8,140.7 136.375,141.275 136.721,141.621 R23.1@137.756,141.621
  other v1: 131.65,126.425
BATT_VOLTAGE: *19.38 R35.2 | length 9.8
  Bottom Layer w0.254: R35.2@138.981,142.731 139.35,143.1 139.35,143.8 v2(140.075,144.525) 140.075,146.225 140.433,146.583 *19.38@142.259,146.583 ; *19.38@141.927,146.312 140.797,146.583 ; *19.38@141.927,146.854 140.797,146.583 ; *19.38@141.959,146.583 140.797,146.583
BATT_VOLTAGE_SENS: R35.1 R36.2 U1.25 | length 31.3
  Top Layer w0.2: U1.25@128.894,125.167 128.894,124.481 129.425,123.95 129.425,122.55 v1@129.05,122.175
  power w0.254: v1(129.1,122.325) 131.786,122.325 132.466,123.005 132.466,129.748 130.332,131.882 130.332,135.66 135.532,140.859 v1(135.532,141.332)
  Bottom Layer w0.2: v1@129.1,122.275 v1(129.1,122.325) ; v1@135.463,141.337 136.425,142.3 137.385,142.3 R35.1@137.756,142.671 ; v1(135.532,141.332) v1@135.582,141.282
BLUE_LED: R48.2 U2.27 | length 37.4
  Top Layer w0.2: R48.2@99.7,149.6 99.7,149.3 99.365,148.965 97.765,148.965 97.11,148.31 97.11,138.965 97.818,138.257 v1(101.23,138.257) ; U2.27@103.854,122.891 105.009,122.891 105.125,122.775 v1(105.375,122.775)
  Bottom Layer w0.2: v1(101.23,138.257) 102.868,138.257 103.55,137.575 103.55,123.625 104.4,122.775 v1(105.375,122.775)
BOOT0: R33.1 U1.94 | length 1.7
  Top Layer w0.2: R33.1@113.158,130.167 U1.94@114.894,130.167
BOOT1: R20.1 U1.37 | length 1.6
  Top Layer w0.2: U1.37@130.894,132.667 R20.1@132.531,132.667
BRICK_VALID: R38.2 U1.91 u8.7 | length 14.8
  Top Layer w0.2: u8.7@109.483,141.944 110.481,141.944 111.4,141.025 111.41,141.025 111.41,137.491 112.005,136.896 112.005,135.839 112.4,135.444 112.4,132.3 113.033,131.667 U1.91@114.894,131.667 ; R38.2@111.831,134.504 112.396,134.504
CAN1_RX: *19.13 U1.81 | length 42.7
  Top Layer w0.2: U1.81@114.894,136.667 118.233,136.667 118.5,136.4 v1(118.5,135.625) ; v2(140.45,139.825) 140.55,139.925 142.22,139.925 *19.13@142.267,139.972 ; *19.13@141.893,140.314 140.916,139.925 ; *19.13@141.924,139.625 140.916,139.925 ; *19.13@141.949,140.121 140.916,139.925 ; *19.13@141.963,139.822 140.916,139.925 ; *19.13@141.967,139.972 140.916,139.925
  power w0.2: v1(118.5,135.625) 119.3,134.825 122.234,134.825 123.814,133.245 128.22,133.245 129.055,134.08 129.055,136.305 132.25,139.5 132.25,141.738 133.232,142.72 137.305,142.72 139.005,141.02 139.98,141.02 140.45,140.55 v2@140.45,139.875
CAN1_TX: *19.14 U1.82 | length 40.4
  Top Layer w0.2: U1.82@114.894,136.167 117.558,136.167 117.85,135.875 v1(117.85,136.025) ; v2@140.575,141.5 141.2,142.125 ; *19.14@141.866,142.507 141.2,142.125 ; *19.14@141.908,141.827 141.2,142.125 ; *19.14@141.943,142.32 141.2,142.125 ; *19.14@141.961,142.022 141.2,142.125 ; *19.14@141.967,142.172 141.2,142.125 ; *19.14@142.267,142.172 142.22,142.125 141.2,142.125
  power w0.2: v1(117.85,136.025) 118.175,136.35 118.725,136.35 119.1,135.975 119.1,135.562 119.457,135.205 122.42,135.205 124,133.625 128.063,133.625 128.675,134.237 128.675,136.462 131.87,139.657 131.87,141.895 133.075,143.1 137.55,143.1 139.25,141.4 v2@140.5,141.4
  other v2: 140.55,141.425
CH1: U2.10 U3.20 | length 16.6
  Top Layer w0.2: U3.20@106.278,133.24 107.935,133.24 108.3,132.875 109.875,132.875 110.55,132.2 110.55,131.216 112.35,129.416 112.35,125.9 112.675,125.575 113.375,125.575 113.8,125.15 113.8,123.125 113.566,122.891 U2.10@112.854,122.891
CH2: U2.11 U3.18 | length 13.4
  Top Layer w0.2: U3.18@107.278,132.24 108.44,132.24 108.71,132.51 109.724,132.51 110.185,132.049 110.185,131.065 111.975,129.275 111.975,123.6 112.184,123.391 U2.11@112.854,123.391
CH3: U2.45 U3.17 | length 20
  Top Layer w0.2: U3.17@107.278,131.74 109.115,131.74 v1(109.3,131.925) ; U2.45@109.604,116.641 109.604,117.904 110.25,118.55 110.25,120.65 110.65,121.05 v1(110.65,121.6)
  Bottom Layer w0.2: v1@109.313,131.912 108.887,131.912 108.5,131.525 108.5,122.5 109.025,121.975 110.275,121.975 v1(110.65,121.6)
CH4: U2.46 U3.16 | length 19.1
  Top Layer w0.2: U3.16@107.278,131.24 109.21,131.24 109.25,131.2 v1(109.15,131.2) ; U2.46@110.104,116.641 110.104,117.754 110.7,118.35 110.7,120.425 111.25,120.975 v1(111.25,122.15)
  Bottom Layer w0.2: v1@109,131.025 108.895,130.92 108.895,122.621 109.116,122.4 110.6,122.4 110.85,122.15 v1(111.25,122.15)
CH5: U2.16 U3.15 | length 6.9
  Top Layer w0.2: U3.15@107.278,130.74 108.76,130.74 109.604,129.896 U2.16@109.604,125.641
CH6: U2.17 U3.14 | length 6
  Top Layer w0.2: U3.14@107.278,130.24 108.46,130.24 109.104,129.596 U2.17@109.104,125.641
CH7: U2.18 U3.13 | length 6.1
  Top Layer w0.2: U3.13@107.278,129.74 108.06,129.74 108.604,129.196 U2.18@108.604,125.641 108.591,125.654 108.591,126.646
CH8: U2.19 U3.12 | length 4.3
  Top Layer w0.2: U3.12@107.278,129.24 107.86,129.24 108.104,128.996 U2.19@108.104,125.641